# Allegro board RK_NVR_DEMO_RK3568_DDR4P216SD4_V12_20201221YWQ_final.brd (continued)
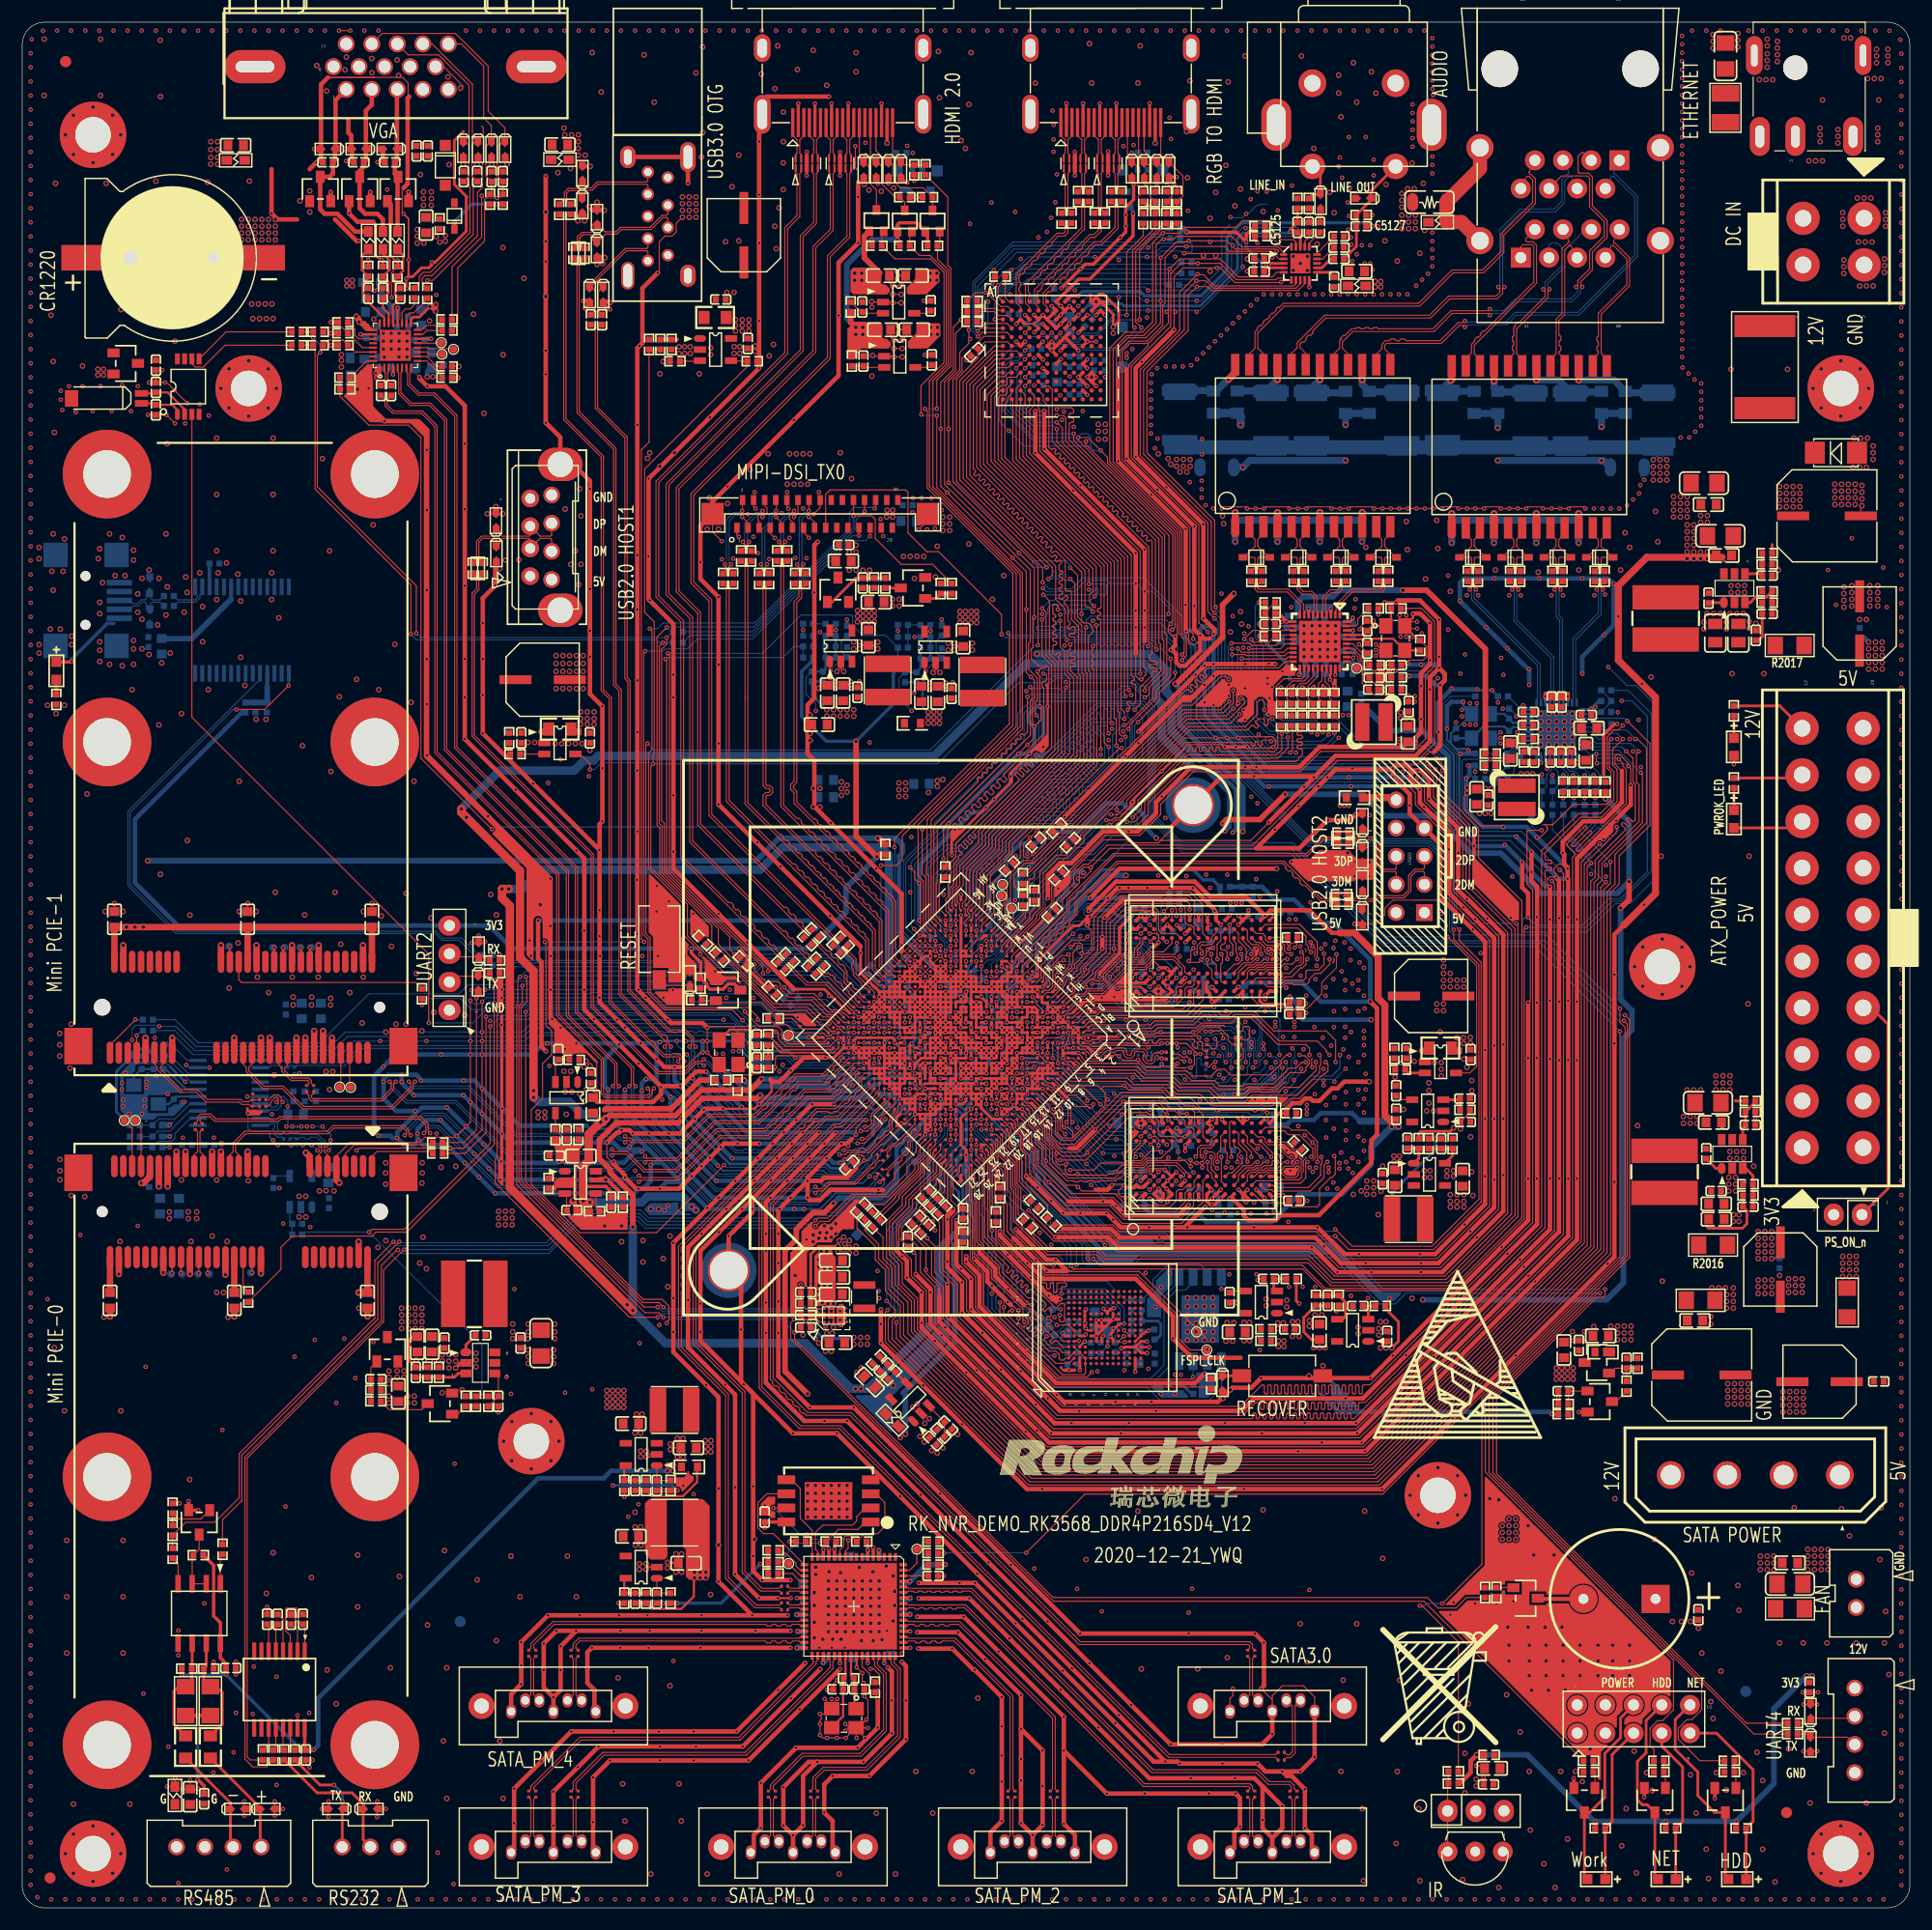
[diagram p0: board, top side]
## Routing (per net, layer and track width the routed paths; a pad name or vN(x,y) marks a point on that pad's centre or on a via; arc(x,y) is an arc through that point) (continued)
v2(17.12,60.55) v2(17.53,132.49) v2(17.53,127.41) v2(17.53,122.33) v2(17.53,117.93) v2(17.53,65.61) v2(17.6,159.21) v2(17.6,158.5) v2(17.6,157.78) v2(17.6,157.18) v2(17.65,120.35) v2(17.9,136.96) v2(17.93,68.88) v2(18.41,121.23) v2(18.47,60.07) v2(18.54,53.24) v2(18.64,138.73) v2(18.64,135.19) v2(18.64,82.91) v2(19.43,120.22) v2(19.46,86.97) v2(19.56,101.55) v2(19.56,89.81) v2(19.68,117.81) v2(19.68,112.73) v2(19.76,152.2) v2(19.76,151.59) v2(19.76,150.98) v2(19.76,150.37) v2(20.07,110.19) v2(20.37,152.2) v2(20.37,151.59) v2(20.37,150.98) v2(20.37,150.37) v2(20.4,139.46) v2(20.4,134.46) v2(20.37,65.53) v2(20.47,155.65) v2(20.68,144.58) v2(20.78,143.26) v2(20.98,152.2) v2(20.98,151.59) v2(20.98,150.98) v2(20.98,150.37) v2(21.08,107.14) v2(21.08,89.81) v2(21.18,83.9) v2(21.29,144.58) v2(21.39,143.26) v2(21.59,152.2) v2(21.59,151.59) v2(21.59,150.98) v2(21.59,150.37) v2(21.89,144.58) v2(22,143.26) v2(21.97,107.14) v2(22,28.35) v2(22.2,152.2) v2(22.2,151.59) v2(22.2,150.98) v2(22.2,150.37) v2(22.17,138.73) v2(22.17,135.19) v2(22.2,82.5) v2(22.5,144.58) v2(22.48,120.35) v2(22.48,117.93) v2(22.61,143.26) v2(22.61,132.49) v2(22.61,127.41) v2(22.61,122.33) v2(22.61,32) v2(22.71,75.08) v2(22.81,152.2) v2(22.81,151.59) v2(22.81,150.98) v2(22.81,150.37) v2(22.81,91.54) v2(22.9,136.96) v2(23.11,116.28) v2(24.33,83.9) v2(24.41,82.09) v2(24.41,81.38) v2(25.02,153.87) v2(24.94,64.13) v2(24.94,62.28) v2(25.25,104.75) v2(25.45,89.51) v2(25.55,64.13) v2(25.55,62.28) v2(25.91,154.76) v2(25.91,152.86) v2(26.09,82.09) v2(26.06,81.38) v2(26.06,29.77) v2(26.54,166.07) v2(26.67,83.9) v2(26.77,64.62) v2(27.05,130.63) v2(27.38,75.39) v2(27.38,64.64) v2(27.43,163.78) v2(27.48,21.44) v2(27.69,122.33) v2(27.69,73.76) v2(27.81,102.44) v2(27.79,81.99) v2(27.79,81.38) v2(27.99,75.39) v2(28.09,64.62) v2(28.19,91.54) v2(28.3,18.39) v2(28.57,109.17) v2(28.7,86.87) v2(29.08,165.68) v2(29.21,166.83) v2(29.51,82.5) v2(30.12,110.74) v2(30.23,31.8) v2(30.23,27.13) v2(30.33,54.05) v2(30.63,79.76) v2(30.73,89.81) v2(30.73,83.9) v2(31.5,166.7) v2(31.5,165.43) v2(31.62,124.66) v2(32.13,109.8) v2(32.05,59.54) v2(32.36,89.41) v2(32.54,141.93) v2(32.54,140.51) v2(32.64,139.78) v2(32.74,67.16) v2(32.74,66.24) v2(32.74,65.23) v2(32.77,60.15) v2(33.05,46.13) v2(33.05,45.52) v2(33.17,21.64) v2(33.25,141.93) v2(33.25,141.22) v2(33.25,140.51) v2(33.27,86.66) v2(33.58,113.89) v2(33.68,79.65) v2(33.78,166.57) v2(33.91,165.18) v2(33.96,141.22) v2(33.96,140.51) v2(33.99,29.87) v2(34.59,91.44) v2(34.59,79.65) v2(34.67,140.51) v2(34.67,139.8) v2(34.72,46.13) v2(34.72,45.52) v2(35.05,108.66) v2(35.31,101.55) v2(35.33,46.13) v2(35.33,45.52) v2(35.51,84.23) v2(35.51,49.38) v2(35.59,151.28) v2(35.59,150.67) v2(35.59,150.06) v2(35.81,58.12) v2(35.89,156.25) v2(36.02,79.04) v2(36.02,65.33) v2(36.04,67.16) v2(36.04,66.24) v2(36.12,60.45) v2(36.2,150.06) v2(36.22,49.38) v2(36.42,57.61) v2(36.53,25.5) v2(36.7,143.05) v2(36.83,89.23) v2(37.08,80.72) v2(37.13,49.28) v2(37.74,66.75) v2(37.85,49.86) v2(37.85,49.3) v2(37.85,46.43) v2(37.95,15.04) v2(38.05,32.21) v2(38.25,21.64) v2(38.25,9.86) v2(38.35,165.05) v2(38.46,157.14) v2(38.46,49.89) v2(38.46,49.28) v2(38.46,48.67) v2(39.07,66.85) v2(39.07,49.89) v2(39.07,49.28) v2(39.5,164.03) v2(39.62,46.69) v2(39.75,157.18) v2(39.88,80.47) v2(40.67,143.66) v2(40.89,49.99) v2(40.89,49.38) v2(40.89,48.77) v2(40.97,157.18) v2(41,29.57) v2(41.61,134.72) v2(42.21,91.34) v2(42.29,157.18) v2(42.72,89.51) v2(42.72,24.08) v2(43.03,15.04) v2(43.05,120.73) v2(43.31,149.66) v2(43.33,140) v2(43.37,42.06) v2(43.33,9.86) v2(43.56,121.49) v2(43.69,157.18) v2(44.1,43.83) v2(44.1,40.29) v2(44.04,31.7) v2(44.2,52.63) v2(44.2,51.92) v2(44.2,51.31) v2(44.75,121.51) v2(44.86,28.04) v2(45.21,146.89) v2(45.57,105.05) v2(45.59,52.63) v2(45.59,51.92) v2(45.59,51.31) v2(45.87,44.56) v2(45.87,39.56) v2(46.18,105.05) v2(46.69,90.42) v2(47.64,43.83) v2(47.64,40.29) v2(48.01,104.95) v2(47.98,52.63) v2(47.98,51.92) v2(47.98,51.31) v2(48.11,112.88) v2(48.11,112.17) v2(48.11,111.46) v2(48.11,109.91) v2(48.26,156.41) v2(48.37,42.06) v2(48.62,104.95) v2(48.72,112.88) v2(48.72,112.17) v2(48.72,111.46) v2(48.72,109.91) v2(48.82,160.43) v2(48.82,75.41) v2(48.9,159.82) v2(48.92,126.09) v2(48.92,73.56) v2(49.02,71.53) v2(49.12,31.7) v2(49.23,104.95) v2(49.33,112.88) v2(49.33,112.17) v2(49.33,111.46) v2(49.33,109.91) v2(49.4,156.79) v2(49.43,121.11) v2(49.43,75.41) v2(49.51,159.82) v2(49.53,73.56) v2(49.66,63.8) v2(49.83,122.33) v2(49.83,104.95) v2(49.94,112.88) v2(49.94,112.17) v2(49.94,111.46) v2(49.94,109.91) v2(49.94,28.04) v2(50.12,159.82) v2(50.12,159.21) v2(50.12,158.6) v2(50.12,157.99) v2(50.14,119.28) v2(50.24,127.91) v2(50.24,73.36) v2(50.34,125.48) v2(50.34,121.11) v2(50.44,104.95) v2(50.55,112.88) v2(50.55,112.17) v2(50.55,111.46) v2(50.55,109.91) v2(50.72,157.99) v2(50.67,72.72) v2(50.85,73.79) v2(51.16,104.34) v2(51.36,167.23) v2(51.54,73.76) v2(52.17,163.68) v2(52.48,61.47) v2(53.7,20.73) v2(54,61.47) v2(54,60.05) v2(54.1,11.18) v2(54.31,7.82) v2(55.22,35.66) v2(55.93,60.15) v2(55.93,58.22) v2(56.03,167.03) v2(56.34,130.66) v2(56.54,131.17) v2(56.64,62.99) v2(56.64,3.05) v2(56.95,162.76) v2(57.35,62.99) v2(57.45,138.28) v2(57.45,129.95) v2(57.76,139.4) v2(57.76,58.52) v2(58.17,55.98) v2(58.37,60.55) v2(58.37,20.02) v2(59.18,140.72) v2(59.18,140.11) v2(59.18,11.18) v2(59.39,7.82) v2(59.49,154.23) v2(59.49,153.62) v2(59.49,153.01) v2(59.69,140.72) v2(59.69,140.11) v2(60.1,154.23) v2(60.1,153.62) v2(60.1,153.01) v2(60.1,152.4) v2(60.2,140.72) v2(60.2,140.11) v2(60.71,165.4) v2(60.71,154.23) v2(60.71,153.62) v2(60.71,153.01) v2(60.71,152.4) v2(61.01,138.28) v2(61.21,157.81) v2(61.32,167.74) v2(61.32,160.02) v2(61.72,124.28) v2(61.72,3.05) v2(61.93,127.1) v2(62.03,140.61) v2(62.03,140) v2(62.03,28.24) v2(62.74,124.28) v2(63.37,150.19) v2(63.5,145.62) v2(63.55,126.59) v2(63.96,155.14) v2(64.13,145.62) v2(64.15,140.73) v2(64.15,140.12) v2(64.57,157.99) v2(64.57,150.27) v2(64.65,140.73) v2(64.65,140.12) v2(65.58,129.64) v2(65.99,33.22) v2(66.04,140.79) v2(66.04,140.28) v2(66.6,165.3) v2(67.21,131.06) v2(67.31,139.9) v2(67.69,140.92) v2(67.82,163.98) v2(67.82,151.59) v2(67.94,149.56) v2(68.07,167.84) v2(68.2,153.24) v2(68.58,161.87) v2(68.58,159.21) v2(68.58,157.3) v2(68.58,154.89) v2(68.94,128.32) v2(69.14,131.06) v2(69.55,128.32) v2(69.65,57) v2(69.75,131.06) v2(69.85,165.71) v2(70.05,59.03) v2(70.15,128.32) v2(70.36,131.06) v2(70.36,51.64) v2(70.76,128.32) v2(70.76,38.07) v2(70.76,37.36) v2(70.76,36.65) v2(70.76,35.94) v2(70.76,35.23) v2(70.97,131.06) v2(70.99,107.52) v2(70.99,105.87) v2(70.99,105.23) v2(71.27,167.44) v2(71.27,100.91) v2(71.27,99.24) v2(71.27,60.66) v2(71.27,60.05) v2(71.37,28.42) v2(71.37,27.25) v2(71.37,25.73) v2(71.37,24.33) v2(71.45,51.31) v2(71.48,38.07) v2(71.48,37.36) v2(71.48,36.65) v2(71.48,35.94) v2(71.48,35.23) v2(71.5,30.71) v2(71.5,30.05) v2(71.78,60.35) v2(71.78,58.42) v2(71.78,57.81) v2(71.78,56.08) v2(71.78,55.58) v2(71.78,54.97) v2(71.78,50.9) v2(71.88,100.91) v2(71.88,99.24) v2(71.88,60.86) v2(71.98,59.16) v2(72.09,54.56) v2(72.19,38.07) v2(72.19,37.36) v2(72.19,36.65) v2(72.19,35.94) v2(72.19,35.23) v2(72.14,24.21) v2(72.29,61.47) v2(72.29,57.61) v2(72.29,56.08) v2(72.39,60.35) v2(72.39,50.16) v2(72.49,164.29) v2(72.49,60.86) v2(72.49,59.16) v2(72.49,51.82) v2(72.71,30.3) v2(72.64,29.46) v2(72.64,28.7) v2(72.64,27.94) v2(72.64,27.18) v2(72.64,26.42) v2(72.64,25.65) v2(72.64,24.89) v2(72.8,57.61) v2(72.8,56.08) v2(72.9,60.45) v2(72.9,50.16) v2(72.9,38.07) v2(72.9,37.36) v2(72.9,36.65) v2(72.9,35.94) v2(72.9,35.23) v2(73,51.82) v2(73.02,24.21) v2(73.1,54.46) v2(73.3,61.67) v2(73.3,60.76) v2(73.41,29.46) v2(73.41,28.7) v2(73.41,27.94) v2(73.41,27.18) v2(73.41,26.42) v2(73.41,25.65) v2(73.41,24.89) v2(73.61,38.07) v2(73.61,37.36) v2(73.61,36.65) v2(73.61,35.94) v2(73.61,35.23) v2(73.61,3.05) v2(73.71,131.17) v2(73.74,30.21) v2(73.79,24.21) v2(74.17,29.46) v2(74.17,28.7) v2(74.17,27.94) v2(74.17,27.18) v2(74.17,26.42) v2(74.17,25.65) v2(74.17,24.89) v2(74.32,38.07) v2(74.32,37.36) v2(74.32,36.65) v2(74.32,35.94) v2(74.32,35.23) v2(74.52,122.2) v2(74.52,120.57) v2(74.73,128.83) v2(74.93,29.46) v2(74.93,28.7) v2(74.93,27.94) v2(74.93,27.18) v2(74.93,26.42) v2(74.93,25.65) v2(74.93,24.89) v2(75.13,167.23) v2(75.13,165.51) v2(75.13,122.83) v2(75.13,122.2) v2(75.13,120.57) v2(75.21,48.26) v2(75.44,30.68) v2(75.62,48.67) v2(75.62,24.08) v2(75.69,29.46) v2(75.69,28.7) v2(75.69,27.94) v2(75.69,27.18) v2(75.69,26.42) v2(75.69,25.65) v2(75.69,24.89) v2(75.74,120.57) v2(75.88,155.35) v2(76.29,154.84) v2(76.35,120.57) v2(76.45,29.46) v2(76.45,28.7) v2(76.45,27.94) v2(76.45,27.18) v2(76.45,26.42) v2(76.45,25.65) v2(76.45,24.89) v2(76.56,144.27) v2(76.56,138.07) v2(76.64,30.29) v2(76.68,24.08) v2(76.96,8.53) v2(77.22,29.46) v2(77.22,28.7) v2(77.22,27.94) v2(77.22,27.18) v2(77.22,26.42) v2(77.22,25.65) v2(77.22,24.89) v2(77.4,154.74) v2(77.47,24.18) v2(77.85,30.81) v2(78.41,117.96) v2(78.41,117.35) v2(78.52,155.04) v2(78.49,47.07) v2(78.49,29.92) v2(78.49,25.86) v2(78.61,28.52) v2(78.61,27.25) v2(78.69,3.05) v2(79.02,117.96) v2(79.02,117.35) v2(78.99,101.4) v2(78.99,100.79) v2(78.99,100.18) v2(79.4,121.82) v2(79.6,101.4) v2(79.6,100.79) v2(79.6,100.18) v2(80.01,121.82) v2(80.24,45.14) v2(80.39,119.84) v2(80.52,12.29) v2(80.62,121.82) v2(80.64,45.44) v2(81.23,121.82) v2(81.33,43.69) v2(81.74,44.09) v2(81.94,41.22) v2(82.04,8.53) v2(82.3,119.96) v2(82.45,122.73) v2(82.45,41) v2(82.55,167.34) v2(82.65,163.17) v2(82.96,41.45) v2(84.28,42.67) v2(84.62,159.31) v2(84.99,158.6) v2(85.29,162.56) v2(85.29,122.94) v2(85.5,167.23) v2(85.6,12.29) v2(86.11,18.9) v2(87.43,117.96) v2(88.44,120.09) v2(91.29,164.49) v2(95.86,31.39) v2(96.16,168.05) v2(96.37,164.49) v2(100.53,164.49) v2(100.53,35.76) v2(100.74,167.84) v2(100.84,21.54) v2(102.36,131.06) v2(103.25,130.63) v2(103.5,130.12) v2(104.01,130.56) v2(104.01,129.95) v2(104.32,129.44) v2(104.62,130.56) v2(104.62,129.95) v2(104.9,160.12) v2(104.93,129.44) v2(105,155.96) v2(105,54.98) v2(105,54.22) v2(105,53.46) v2(105,52.69) v2(105,51.93) v2(105,51.17) v2(105.21,164.69) v2(105.23,130.56) v2(105.23,129.95) v2(105.76,54.98) v2(105.76,54.22) v2(105.76,53.46) v2(105.76,52.69) v2(105.76,51.93) v2(105.76,51.17) v2(105.92,21.54) v2(106.43,148.95) v2(106.52,54.98) v2(106.52,54.22) v2(106.52,53.46) v2(106.52,52.69) v2(106.52,51.93) v2(106.52,51.17) v2(107.04,152.3) v2(107.04,147.52) v2(107.28,54.98) v2(107.28,54.22) v2(107.28,53.46) v2(107.28,52.69) v2(107.28,51.93) v2(107.28,51.17) v2(107.54,154.64) v2(107.54,148.95) v2(108.15,125.48) v2(108.25,124.76) v2(108.46,157.07) v2(108.46,51.08) v2(108.46,31.5) v2(108.56,52.76) v2(108.58,22.56) v2(108.66,164.59) v2(108.86,115.01) v2(109.07,51.08) v2(109.17,52.76) v2(109.27,153.42) v2(109.47,54.56) v2(109.78,154.94) v2(109.78,116.84) v2(109.88,115.72) v2(110.19,166.93) v2(110.39,148.64) v2(111.81,152.91) v2(111.81,35.86) v2(112.09,54.89) v2(112.09,54.28) v2(113.94,54.76) v2(113.94,54.15) v2(114.53,148.87) v2(114.45,52.83) v2(114.45,51.51) v2(114.96,52.83) v2(115.06,51.51) v2(115.16,148.23) v2(115.16,25.6) v2(115.27,166.93) v2(115.49,115.57) v2(115.49,114.86) v2(115.49,114.15) v2(115.49,113.44) v2(115.49,112.78) v2(115.8,148.87) v2(115.8,147.6) v2(115.98,52.93) v2(115.98,52.43) v2(115.95,47.96) v2(116.2,115.57) v2(116.2,114.86) v2(116.2,114.15) v2(116.2,113.44) v2(116.2,112.78) v2(116.38,158.6) v2(116.48,53.44) v2(116.69,149.96) v2(116.92,115.57) v2(116.92,114.86) v2(116.92,114.15) v2(116.92,113.44) v2(116.92,112.78) v2(117.09,53.44) v2(117.2,48.87) v2(117.63,115.57) v2(117.63,114.86) v2(117.63,114.15) v2(117.63,113.44) v2(117.63,112.78) v2(117.81,154.64) v2(118.21,152.81) v2(118.34,115.57) v2(118.34,114.86) v2(118.34,114.15) v2(118.34,113.44) v2(118.34,112.78) v2(118.62,165.2) v2(118.62,163.58) v2(118.82,161.44) v2(118.82,12.29) v2(119.02,20.52) v2(119.94,166.32) v2(119.94,64.31) v2(120.24,162.76) v2(120.24,25.6) v2(120.37,52.34) v2(120.37,51.76) v2(120.75,8.94) v2(120.85,2.44) v2(120.95,35.76) v2(121.06,122.63) v2(121.56,165.51) v2(121.97,163.58) v2(122.17,62.48) v2(122.23,52.21) v2(122.23,51.63) v2(122.38,52.83) v2(122.58,66.85) v2(122.58,31.5) v2(122.78,150.27) v2(122.89,155.35) v2(122.89,52.83) v2(123.6,67.77) v2(123.6,67.26) v2(123.7,74.88) v2(123.8,5.79) v2(123.9,148.44) v2(123.9,12.29) v2(124.1,67.77) v2(124.1,67.26) v2(124.1,20.52) v2(124.31,154.53) v2(124.31,153.92) v2(124.31,153.31) v2(124.31,152.58) v2(124.31,151.97) v2(124.31,151.36) v2(124.46,71.96) v2(124.71,124.97) v2(124.82,154.97) v2(124.82,122.43) v2(124.92,152.58) v2(124.92,151.97) v2(124.92,151.36) v2(125.06,37.19) v2(125.22,157.28) v2(125.22,54.94) v2(125.43,154.97) v2(125.43,76.3) v2(125.53,152.58) v2(125.53,151.97) v2(125.53,151.36) v2(125.79,38.95) v2(125.79,35.42) v2(125.83,8.94) v2(125.93,149.15) v2(125.93,2.44) v2(126.24,155.45) v2(126.36,151.21) v2(126.34,66.45) v2(126.34,65.84) v2(126.44,119.79) v2(126.54,71.83) v2(126.75,74.37) v2(126.75,73.66) v2(126.75,72.54) v2(126.85,66.45) v2(126.85,65.84) v2(127.15,71.83) v2(127.25,76.2) v2(127.46,125.07) v2(127.46,81.48) v2(127.46,80.87) v2(127.56,122.53) v2(127.56,39.69) v2(127.56,34.69) v2(127.76,78.94) v2(127.86,76.2) v2(127.86,75.59) v2(127.86,74.98) v2(128.07,85.45) v2(128.07,84.84) v2(128.07,84.23) v2(128.07,83.62) v2(128.07,83.01) v2(128.07,81.48) v2(128.07,80.87) v2(128.37,66.45) v2(128.37,65.94) v2(128.68,118.67) v2(128.68,84.23) v2(128.68,83.62) v2(128.68,83.01) v2(128.98,66.45) v2(128.98,65.94) v2(129.29,83.62) v2(129.29,83.01) v2(129.33,38.95) v2(129.33,35.42) v2(129.79,2.54) v2(129.9,83.62) v2(129.9,83.01) v2(129.9,76.5) v2(130,13.92) v2(130,10.36) v2(130.06,37.19) v2(130.1,23.06) v2(130.2,100.99) v2(130.18,75.77) v2(130.3,18.39) v2(130.51,69.49) v2(130.61,74.57) v2(130.61,73.66) v2(130.61,66.34) v2(130.71,64.21) v2(131.01,11.58) v2(131.01,10.97) v2(131.83,100.89) v2(132.23,36.88) v2(132.33,100.89) v2(132.74,120.6) v2(133.05,36.78) v2(133.05,1.83) v2(133.76,19.2) v2(133.86,25.3) v2(133.96,23.67) v2(133.96,22.25) v2(134.98,15.85) v2(135.69,34.44) v2(135.69,25.3) v2(135.79,23.67) v2(135.79,22.25) v2(135.79,20.93) v2(135.79,12.29) v2(135.89,7.01) v2(135.99,19.61) v2(136.19,31.8) v2(136.6,120.4) v2(136.83,107.65) v2(136.83,106.93) v2(136.83,106.22) v2(136.83,105.51) v2(136.83,104.85) v2(137.11,3.96) v2(137.21,25.3) v2(137.31,23.67) v2(137.31,22.25) v2(137.31,20.93) v2(137.52,19.61) v2(137.54,107.65) v2(137.54,106.93) v2(137.54,106.22) v2(137.54,105.51) v2(137.54,104.85) v2(138.02,31.8) v2(138.13,1.83) v2(138.25,107.65) v2(138.25,106.93) v2(138.25,106.22) v2(138.25,105.51) v2(138.25,104.85) v2(138.63,12.29) v2(138.73,25.3) v2(138.84,23.67) v2(138.84,22.25) v2(138.84,20.93) v2(138.96,107.65) v2(138.96,106.93) v2(138.96,106.22) v2(138.96,105.51) v2(138.96,104.85) v2(139.04,19.61) v2(139.24,6.2) v2(139.67,107.65) v2(139.67,106.93) v2(139.67,106.22) v2(139.67,105.51) v2(139.67,104.85) v2(139.67,51.94) v2(139.95,12.29) v2(140.26,120.6) v2(140.36,23.67) v2(140.36,22.25) v2(140.36,20.93) v2(140.56,11.38) v2(140.79,51.94) v2(141.27,14.33) v2(141.6,52.4) v2(141.99,23.67) v2(141.99,22.25) v2(141.99,20.93) v2(143.31,23.67) v2(143.31,22.25) v2(143.31,20.93) v2(143.51,36.88) v2(144.02,120.6) v2(144.12,5.59) v2(144.42,123.95) v2(144.53,8.94) v2(144.83,122.63) v2(144.83,23.67) v2(144.83,22.25) v2(144.83,20.93) v2(145.28,84.84) v2(145.24,14.12) v2(145.44,3.15) v2(145.54,70.51) v2(146.01,86.6) v2(146.01,83.07) v2(146.35,12.19) v2(146.76,110.95) v2(146.86,10.57) v2(146.96,129.92) v2(146.96,129.31) v2(146.96,128.7) v2(147.07,33.22) v2(147.17,125.88) v2(147.27,20.32) v2(147.37,123.14) v2(147.57,129.92) v2(147.57,129.31) v2(147.57,128.7) v2(147.68,94.79) v2(147.78,87.34) v2(147.78,82.34) v2(147.78,56.49) v2(148.18,129.92) v2(148.18,129.31) v2(148.18,128.7) v2(148.29,8.64) v2(148.69,25.81) v2(148.79,127.2) v2(148.79,126.59) v2(148.79,125.98) v2(148.79,125.37) v2(149.4,127.2) v2(149.4,126.59) v2(149.4,125.98) v2(149.4,125.37) v2(149.5,25.81) v2(149.54,86.6) v2(149.54,83.07) v2(149.68,71.32) v2(149.68,70.71) v2(150.01,127.2) v2(150.01,126.59) v2(150.01,125.98) v2(150.01,125.37) v2(150.01,124.66) v2(150.01,124.05) v2(150.01,123.44) v2(150.01,122.83) v2(150.01,122.22) v2(150.01,121.62) v2(150.01,73.72) v2(150.28,84.84) v2(150.29,71.32) v2(150.29,70.71) v2(150.32,25.81) v2(150.32,11.99) v2(150.42,30.18) v2(150.62,124.66) v2(150.62,124.05) v2(150.62,123.44) v2(150.62,122.83) v2(150.62,122.22) v2(150.62,121.62) v2(150.62,73.72) v2(150.83,8.53) v2(150.9,71.32) v2(150.9,70.71) v2(151.03,25.2) v2(151.23,125.5) v2(151.23,124.89) v2(151.23,122.22) v2(151.23,121.62) v2(151.23,73.72) v2(151.33,22.96) v2(151.54,115.9) v2(151.54,115.29) v2(151.79,116.66) v2(151.74,5.28) v2(151.84,125.5) v2(151.84,124.89) v2(151.84,122.22) v2(151.84,121.62) v2(151.94,2.64) v2(152.15,53.29) v2(152.15,52.63) v2(152.15,18.59) v2(152.35,168.86) v2(152.35,168.25) v2(152.35,167.64) v2(152.4,116.66) v2(152.35,17.07) v2(152.65,12.19) v2(153.01,116.66) v2(153.06,21.34) v2(153.57,115.9) v2(153.57,115.29) v2(153.54,10.62) v2(153.67,47.24) v2(153.67,46.63) v2(153.67,46.02) v2(153.67,45.42) v2(153.77,65.84) v2(153.77,65.23) v2(153.77,64.62) v2(153.87,116.66) v2(153.87,68.17) v2(153.87,67.56) v2(153.97,138.68) v2(153.97,119.18) v2(153.97,118.57) v2(154.08,111.25) v2(154.18,62.48) v2(154.18,61.87) v2(154.28,47.24) v2(154.28,46.63) v2(154.28,46.02) v2(154.28,45.42) v2(154.38,65.84) v2(154.38,65.23) v2(154.38,64.62) v2(154.48,116.66) v2(154.48,68.17) v2(154.48,67.56) v2(154.58,168.96) v2(154.58,168.35) v2(154.58,167.74) v2(154.58,119.18) v2(154.58,118.57) v2(154.58,29.06) v2(154.69,62.48) v2(154.69,61.87) v2(154.69,26.82) v2(154.89,47.24) v2(154.89,46.63) v2(154.89,46.02) v2(154.89,45.42) v2(155.09,116.66) v2(155.09,68.17) v2(155.09,67.56) v2(155.09,12.19) v2(155.19,119.18) v2(155.19,118.57) v2(155.5,81.48) v2(155.5,47.24) v2(155.5,46.63) v2(155.5,46.02) v2(155.5,45.42) v2(155.6,115.95) v2(155.6,115.34) v2(155.6,94.79) v2(156.01,66.85) v2(156.21,115.77) v2(156.31,14.02) v2(156.41,56.59) v2(156.41,55.98) v2(156.41,55.37) v2(156.51,164.8) v2(156.82,11.48) v2(156.82,5.28) v2(156.92,111.25) v2(157.02,56.59) v2(157.02,55.98) v2(157.02,55.37) v2(157.12,164.8) v2(157.23,168.45) v2(157.23,167.84) v2(157.23,167.13) v2(157.23,166.52) v2(157.23,165.91) v2(157.63,56.59) v2(157.63,55.98) v2(157.63,55.37) v2(157.73,164.8) v2(157.94,2.34) v2(158.14,168.25) v2(158.14,167.64) v2(158.14,167.03) v2(158.14,166.42) v2(158.24,120.6) v2(158.34,57) v2(158.34,23.88) v2(158.65,46.53) v2(158.65,45.92) v2(158.65,45.31) v2(158.65,44.7) v2(159.05,138.68) v2(159.16,56.69) v2(159.16,56.08) v2(159.16,55.47) v2(159.16,14.33) v2(159.26,46.53) v2(159.26,45.92) v2(159.26,45.31) v2(159.26,44.7) v2(159.66,36.07) v2(159.77,56.69) v2(159.77,56.08) v2(159.77,55.47) v2(159.87,46.53) v2(159.87,45.92) v2(159.87,45.31) v2(159.87,44.7) v2(160.07,11.99) v2(160.38,56.69) v2(160.38,56.08) v2(160.38,55.47) v2(160.48,46.53) v2(160.48,45.92) v2(160.48,45.31) v2(160.48,44.7) v2(160.48,23.88) v2(160.88,32.31) v2(160.88,31.7) v2(160.88,31.09) v2(160.88,30.48) v2(160.99,157.48) v2(161.09,9.45) v2(161.36,136.96) v2(161.36,4.88) v2(161.49,32.31) v2(161.49,31.7) v2(161.49,31.09) v2(161.49,30.48) v2(161.59,157.48) v2(162,160.43) v2(162,159.82) v2(162,159.21) v2(162.09,138.73) v2(162.09,135.19) v2(162.1,32.31) v2(162.1,31.7) v2(162.1,31.09) v2(162.1,30.48) v2(162.09,6.65) v2(162.09,3.11) v2(162.2,162.97) v2(162.2,157.48) v2(162.61,23.88) v2(162.71,32.31) v2(162.71,31.7) v2(162.71,31.09) v2(162.71,30.48) v2(163.32,128.32) v2(163.32,127.71) v2(163.32,127.1) v2(163.32,126.49) v2(163.6,160.3) v2(163.6,159.69) v2(163.6,159.08) v2(163.86,139.46) v2(163.86,134.46) v2(163.93,128.32) v2(163.93,127.71) v2(163.93,127.1) v2(163.93,126.49) v2(163.93,35.97) v2(163.86,7.38) v2(163.86,2.38) v2(164.03,152.81) v2(164.03,152.2) v2(164.03,151.59) v2(164.13,168.55) v2(164.13,148.54) v2(164.13,147.93) v2(164.13,147.32) v2(164.13,119.08) v2(164.13,118.47) v2(164.13,117.86) v2(164.13,117.25) v2(164.54,128.32) v2(164.54,127.71) v2(164.54,127.1) v2(164.54,126.49) v2(164.64,33.53) v2(164.74,168.55) v2(164.85,119.18) v2(164.85,118.57) v2(164.85,117.96) v2(164.85,117.35) v2(164.95,129.84) v2(165.05,132.49) v2(165.15,128.32) v2(165.15,127.71) v2(165.15,127.1) v2(165.15,126.49) v2(165.25,23.88) v2(165.35,154.13) v2(165.46,157.48) v2(165.46,150.16) v2(165.56,146.2) v2(165.63,138.73) v2(165.63,135.19) v2(165.56,129.84) v2(165.56,116.13) v2(165.63,6.65) v2(165.63,3.11) v2(165.66,132.49) v2(165.76,128.22) v2(165.76,127.61) v2(165.76,127) v2(165.96,154.13) v2(166.07,157.48) v2(166.07,150.16) v2(166.17,146.2) v2(166.17,129.84) v2(166.17,116.13) v2(166.17,9.45) v2(166.27,164.9) v2(166.27,132.49) v2(166.36,136.96) v2(166.36,4.88) v2(166.47,119.18) v2(166.47,118.57) v2(166.47,117.96) v2(166.47,117.35) v2(166.57,154.13) v2(166.67,157.48) v2(166.67,150.16) v2(166.78,146.2) v2(166.78,131.78) v2(166.78,131.17) v2(166.78,130.56) v2(166.88,164.9) v2(167.08,167.54) v2(167.08,166.93) v2(167.08,166.32) v2(167.18,160.43) v2(167.18,159.82) v2(167.18,159.21) v2(167.18,119.18) v2(167.18,118.57) v2(167.18,117.96) v2(167.18,117.35) v2(167.28,162.97) v2(167.39,31.39) v2(167.49,164.9) v2(167.49,36.07) v2(167.79,148.64) v2(167.79,148.03) v2(167.79,147.42) v2(167.79,23.88) v2(167.79,15.75) v2(167.89,152.81) v2(167.89,152.2) v2(167.89,151.59) v2(167.89,26.72) v2(168.1,167.54) v2(168.1,166.93) v2(168.1,166.32) v2(168.2,21.03)
